# Altium PCB PCB3.PcbDoc (part 5 of 9)
Units mm, origin at the board's own origin, x right, y up, seen from the top; angles counter-clockwise.
Board outline 233.8 x 110.5 mm, 4 copper layers (Top Layer, Layer 1, Layer 2, Bottom Layer), stack 0.603 mm thick; 1414 components, 1732 nets, 4924 pads, 691 vias.
Unrouted connection lines stored in the file: 2464.
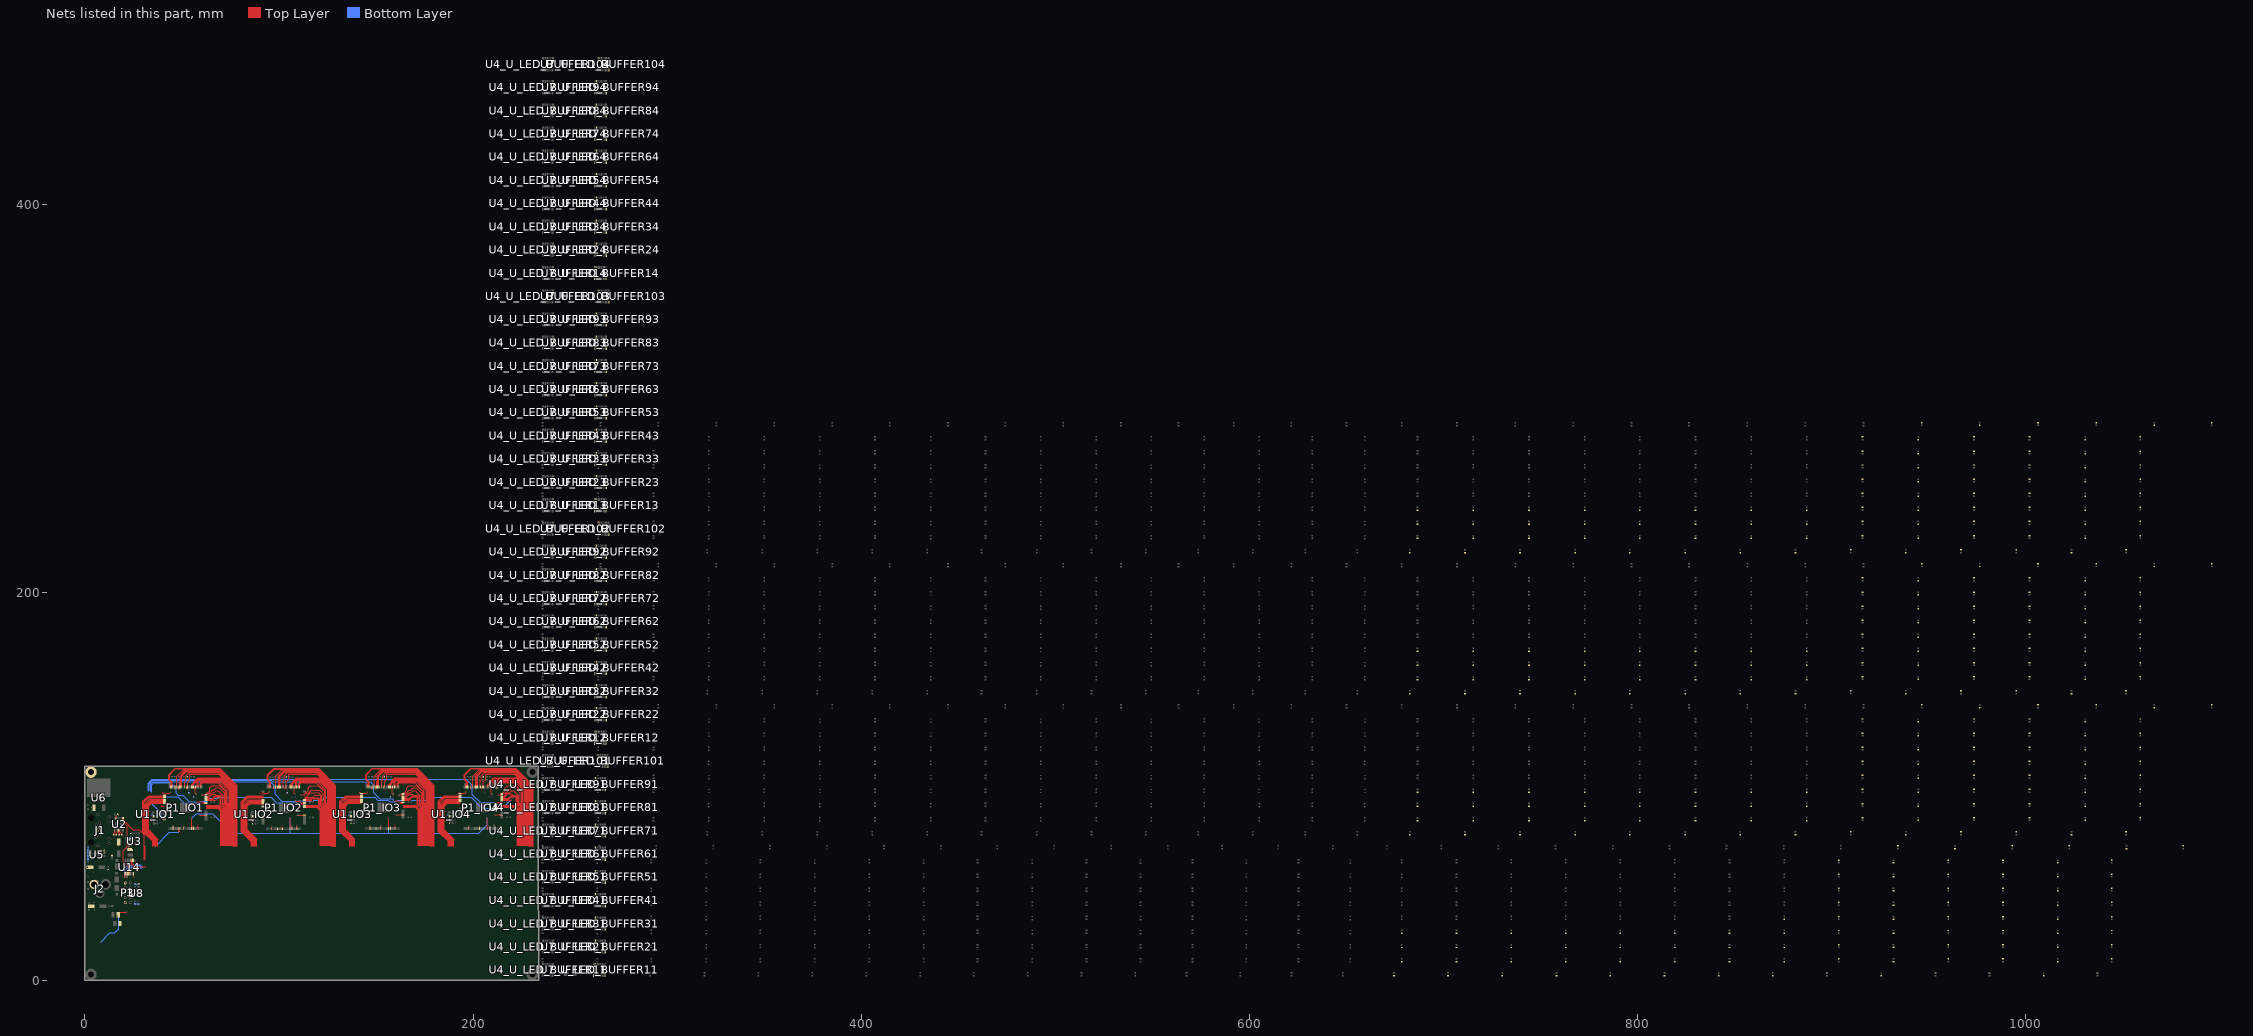
[diagram p7: the nets of this part, all layers, seen from the top]

## Part data (continued)
U4_U_LED_BUFFER11 U4_U_LED_BUFFER12 U4_U_LED_BUFFER13 U4_U_LED_BUFFER14 U4_U_LED_BUFFER21 U4_U_LED_BUFFER22 U4_U_LED_BUFFER23 U4_U_LED_BUFFER24 U4_U_LED_BUFFER31 U4_U_LED_BUFFER32 U4_U_LED_BUFFER33 U4_U_LED_BUFFER34 U4_U_LED_BUFFER41 U4_U_LED_BUFFER42 U4_U_LED_BUFFER43 U4_U_LED_BUFFER44 U4_U_LED_BUFFER51 U4_U_LED_BUFFER52 U4_U_LED_BUFFER53 U4_U_LED_BUFFER54 U4_U_LED_BUFFER61 U4_U_LED_BUFFER62 U4_U_LED_BUFFER63 U4_U_LED_BUFFER64 U4_U_LED_BUFFER71 U4_U_LED_BUFFER72 U4_U_LED_BUFFER73 U4_U_LED_BUFFER74 U4_U_LED_BUFFER81 U4_U_LED_BUFFER82 U4_U_LED_BUFFER83 U4_U_LED_BUFFER84 U4_U_LED_BUFFER91 U4_U_LED_BUFFER92 U4_U_LED_BUFFER93 U4_U_LED_BUFFER94 U4_U_LED_BUFFER101 U4_U_LED_BUFFER102 U4_U_LED_BUFFER103 U4_U_LED_BUFFER104: library part TXS0108EPWR, "Translation - Voltage Levels Dual supply translating transceiver; open drain; auto direction sensing", Mfr="NXP Semiconductors", Mfr Part No=NTS0308EPWJ, PRICE=1.43, Stockiest=MOUSER, Stockiest Part No=771-NTS0308EPWJ
U5: "Power Switch ICs - Power Distribution", Mfr="Texas Instruments", Mfr Part No=TPS2121RUXT, PRICE=2.40, Stockiest=MOUSER, Stockiest Part No=595-TPS2121RUXT
U6: "Integrated Circuit", Mfr=STMicroelectronics, Mfr Part No=LD1085D2T33R, PRICE=1.30, Stockiest=MOUSER, Stockiest Part No=511-LD1085D2T33-TR
U7_U_LED_BUFFER11 U7_U_LED_BUFFER12 U7_U_LED_BUFFER13 U7_U_LED_BUFFER14 U7_U_LED_BUFFER21 U7_U_LED_BUFFER22 U7_U_LED_BUFFER23 U7_U_LED_BUFFER24 U7_U_LED_BUFFER31 U7_U_LED_BUFFER32 U7_U_LED_BUFFER33 U7_U_LED_BUFFER34 U7_U_LED_BUFFER41 U7_U_LED_BUFFER42 U7_U_LED_BUFFER43 U7_U_LED_BUFFER44 U7_U_LED_BUFFER51 U7_U_LED_BUFFER52 U7_U_LED_BUFFER53 U7_U_LED_BUFFER54 U7_U_LED_BUFFER61 U7_U_LED_BUFFER62 U7_U_LED_BUFFER63 U7_U_LED_BUFFER64 U7_U_LED_BUFFER71 U7_U_LED_BUFFER72 U7_U_LED_BUFFER73 U7_U_LED_BUFFER74 U7_U_LED_BUFFER81 U7_U_LED_BUFFER82 U7_U_LED_BUFFER83 U7_U_LED_BUFFER84 U7_U_LED_BUFFER91 U7_U_LED_BUFFER92 U7_U_LED_BUFFER93 U7_U_LED_BUFFER94 U7_U_LED_BUFFER101 U7_U_LED_BUFFER102 U7_U_LED_BUFFER103 U7_U_LED_BUFFER104: "Buffers & Line Drivers BUFFER LINE DRIVER", Mfr=Nexperia, Mfr Part No=74LV244APWJ, PRICE=0.464, Stockiest=MOUSER, Stockiest Part No=771-74LV244APWJ
U8: "ESD Suppressors / TVS Diodes LOW CAP TVS ARRAY 5.5V", Mfr="ON SEMI", Mfr Part No=NUP4114HMR6T1G, PRICE=0.534, Stockiest=MOUSER, Stockiest Part No=863-NUP4114HMR6T1G
U14: "Encoders, Decoders, Multiplexers & Demultiplexers 8-INPUT MULTIPLEXER", Mfr=NEXPERIA, Mfr Part No=74HC151DB,118, PRICE=0.887, Stockiest=MOUSER, Stockiest Part No=771-HC151DB118

## Free pads (board coordinates)
  round 6 hole 3.2: ""(3.1,3.1) ""(3.1,107.4) ""(230.6,3.1) ""(230.6,107.4)

## Via types
v1: diameter 0.61, hole 0.305, Top Layer to Bottom Layer, 691 vias

## Nets (pads, with @x,y where several pads share a name; then routed paths per layer and width w, separated by ;. In a path a pad name is that pad's centre, name@x,y a point inside that pad or via, vN(x,y) a via of type N, cw(c..) or ccw(c..) an arc to the next point about the centre after c; other vN are vias at no path point)
BANK_EN0: P1_IO1.17 U14.11 | length 9.5
  Top Layer w0.178: U14.11@23.831,61.919 23.831,59.693 27.498,56.026 ; 39.036,90.316 39.583,89.769 P1_IO1.17@40.944,89.769
BANK_EN0_IO2: P1_IO2.17
BANK_EN0_IO3: P1_IO3.17
BANK_EN0_IO4: P1_IO4.17
BANK_EN1: P1_IO1.30 U14.10 | length 21.9
  Top Layer w0.178: U14.10@24.481,61.919 24.481,60.025 25.94,58.566 31.274,58.566 ; v1(39.5,82.988) 39.617,82.988 39.898,83.269 P1_IO1.30@40.944,83.269
  Bottom Layer w0.178: 34.661,92.07 34.659,92.068 34.659,91.776 34.661,91.774 34.661,90.739 39.5,85.9 v1(39.5,82.988)
BANK_EN1_IO2: P1_IO2.30
BANK_EN1_IO3: P1_IO3.30
BANK_EN1_IO4: P1_IO4.30
BANK_EN2_IO1: P1_IO1.48 | length 17.4
  Top Layer w0.178: P1_IO1.48@48.432,78.281 48.432,76.786 48.8,76.418 v1(48.8,76.346)
  Bottom Layer w0.178: 36.418,69.286 43.478,76.346 v1(48.8,76.346)
BANK_EN2_IO2: P1_IO2.48
BANK_EN2_IO3: P1_IO3.48
BANK_EN2_IO4: P1_IO4.48
C1+: C40.2 U2.1 | length 2.6
  Top Layer w0.254: C40.2@14.856,75.104 14.856,75.819 15.357,76.319 U2.1@15.357,77.543
C1-: C40.1 U2.3 | length 2.6
  Top Layer w0.254: C40.1@16.256,75.104 16.256,75.949 16.657,76.349 U2.3@16.657,77.543
C2+: C43.2 U2.4 | length 2.6
  Top Layer w0.254: U2.4@17.307,77.543 17.307,76.069 17.576,75.8 C43.2@17.576,75.058
C2-: C43.1 U2.5 | length 2.9
  Top Layer w0.254: U2.5@17.957,77.543 17.957,76.628 18.976,75.609 C43.1@18.976,75.058
CMD_INT: P1_IO1.61 P1_IO2.61 P1_IO3.61 P1_IO4.61 | length 200.3
  Top Layer w0.178: P1_IO1.61@54.932,78.281 v1(54.932,83.659) v1@55.053,83.781 ; P1_IO2.61@105.76,78.215 v1(105.76,83.593) ; P1_IO3.61@156.481,78.303 v1(156.481,83.681) v1@156.603,83.802 ; P1_IO4.61@207.357,78.307 v1(207.357,83.685)
  Bottom Layer w0.178: v1(54.932,83.659) 57.271,85.998 65.818,85.998 75.978,75.838 105.76,75.838 ; v1(105.76,83.593) 105.76,75.838 ; v1(156.481,83.681) 156.481,75.838 ; v1(207.357,83.685) 207.357,80.342 202.854,75.838 156.481,75.838 ; 105.76,75.838 156.481,75.838
CMD_RX: P1_IO1.98 P1_IO2.98 P1_IO3.98 P1_IO4.98 U2.9 | length 246.9
  Top Layer w0.178: U2.9@19.907,83.419 19.907,82.485 24.63,77.762 27.871,77.762 30.468,75.165 30.468,61.912 ; P1_IO1.98@62.42,92.769 67.509,92.769 v1(68.612,93.872) ; P1_IO2.98@113.248,92.703 117.227,92.703 v1(117.38,92.856) ; P1_IO3.98@163.969,92.791 167.861,92.791 v1(167.926,92.856) ; P1_IO4.98@214.845,92.795 219.681,92.795 v1(220.25,93.364)
  Bottom Layer w0.178: 32.798,93.872 33.56,94.634 47.784,94.634 51.069,91.349 58.723,91.349 59.742,92.368 62.855,92.368 64.359,93.872 v1(68.612,93.872) 69.059,94.319 96.052,94.319 98.694,91.677 109.021,91.677 109.891,92.548 117.06,92.548 117.368,92.856 v1(117.38,92.856) ; v1@117.38,92.806 122.307,92.806 123.908,94.407 149.362,94.407 150.824,92.945 156.206,92.945 157.035,92.116 160.345,92.116 161.123,92.894 167.926,92.894 176.933,92.894 178.45,94.41 199.009,94.41 204.581,88.838 215.433,88.838 219.878,93.283 220.169,93.283 v1(220.25,93.364)
CMD_TX: U2.10 U14.5 | length 31.9
  Top Layer w0.254: U2.10@19.257,83.419 19.235,83.398 19.235,82.273 21.901,79.607 21.901,68.955 19.693,66.746 19.693,61.258 23.16,57.791 23.16,54.965 U14.5@23.181,54.943
CMD_TX_IO1: P1_IO1.96 U14.4 | length 47.6
  Top Layer w0.178: v1(22.507,56.655) 22.519,56.642 22.519,54.956 U14.4@22.531,54.943 ; v1(57.5,92.048) 60.738,92.048 61.017,91.769 P1_IO1.96@62.42,91.769
  Bottom Layer w0.178: v1(22.507,56.655) 22.589,56.737 22.589,56.98 23.632,58.022 29.746,58.022 ; 34.459,97.024 34.459,100.81 35.649,102 43.974,102 47.022,98.952 47.022,96.412 48.038,95.396 50.324,95.396 53.672,92.048 v1(57.5,92.048)
CMD_TX_IO2: P1_IO2.96 U14.3 | length 104.4
  Top Layer w0.178: U14.3@21.881,54.943 21.894,54.931 21.894,53.244 v1(21.906,53.232) ; v1(108.358,92.431) 110.522,92.431 111.249,91.703 P1_IO2.96@113.248,91.703
  Bottom Layer w0.178: v1(21.906,53.232) 21.906,57.326 23.188,58.608 29.326,58.608 ; 33.855,97.427 33.855,101.282 35.105,102.531 95.513,102.531 98.076,99.968 98.076,95.904 101.549,92.431 v1(108.358,92.431)
CMD_TX_IO3: P1_IO3.96 U14.2 | length 153.7
  Top Layer w0.178: v1(21.207,56.655) 21.219,56.642 21.219,54.956 U14.2@21.231,54.943 ; v1(159.492,92.687) 161.576,92.687 162.473,91.791 P1_IO3.96@163.969,91.791
  Bottom Layer w0.178: v1(21.207,56.655) 21.207,57.389 22.997,59.179 29.235,59.179 ; 33.194,97.427 33.194,101.396 34.936,103.138 95.922,103.138 96.552,102.508 147.098,102.508 148.876,100.73 148.876,96.788 151.962,93.702 158.477,93.702 v1(159.492,92.687)
CMD_TX_IO4: P1_IO4.96 U14.1 | length 210.3
  Top Layer w0.178: U14.1@20.581,54.943 20.594,54.931 20.594,53.244 v1(20.606,53.232) ; v1(211.416,91.795) P1_IO4.96@214.845,91.795
  Bottom Layer w0.178: v1(20.606,53.232) 20.606,58.058 22.252,59.704 28.77,59.704 ; 32.533,97.758 32.533,101.561 34.734,103.762 196.644,103.762 199.676,100.73 199.676,95.77 203.652,91.795 v1(211.416,91.795)
GND: C1_IO1.1 C1_IO2.1 C1_IO3.1 C1_IO4.1 C19.1 C20.1 C21.1 C22.1 C26.1 C27.1 C28_U_LED_BUFFER11.2 C28_U_LED_BUFFER12.2 C28_U_LED_BUFFER13.2 C28_U_LED_BUFFER14.2 C28_U_LED_BUFFER21.2 C28_U_LED_BUFFER22.2 C28_U_LED_BUFFER23.2 C28_U_LED_BUFFER24.2 C28_U_LED_BUFFER31.2 C28_U_LED_BUFFER32.2 C28_U_LED_BUFFER33.2 C28_U_LED_BUFFER34.2 C28_U_LED_BUFFER41.2 C28_U_LED_BUFFER42.2 C28_U_LED_BUFFER43.2 C28_U_LED_BUFFER44.2 C28_U_LED_BUFFER51.2 C28_U_LED_BUFFER52.2 C28_U_LED_BUFFER53.2 C28_U_LED_BUFFER54.2 C28_U_LED_BUFFER61.2 C28_U_LED_BUFFER62.2 C28_U_LED_BUFFER63.2 C28_U_LED_BUFFER64.2 C28_U_LED_BUFFER71.2 C28_U_LED_BUFFER72.2 C28_U_LED_BUFFER73.2 C28_U_LED_BUFFER74.2 C28_U_LED_BUFFER81.2 C28_U_LED_BUFFER82.2 C28_U_LED_BUFFER83.2 C28_U_LED_BUFFER84.2 C28_U_LED_BUFFER91.2 C28_U_LED_BUFFER92.2 C28_U_LED_BUFFER93.2 C28_U_LED_BUFFER94.2 C28_U_LED_BUFFER101.2 C28_U_LED_BUFFER102.2 C28_U_LED_BUFFER103.2 C28_U_LED_BUFFER104.2 C29.1 C30.1 C31_U_LED_BUFFER11.1 C31_U_LED_BUFFER12.1 C31_U_LED_BUFFER13.1 C31_U_LED_BUFFER14.1 C31_U_LED_BUFFER21.1 C31_U_LED_BUFFER22.1 C31_U_LED_BUFFER23.1 C31_U_LED_BUFFER24.1 C31_U_LED_BUFFER31.1 C31_U_LED_BUFFER32.1 C31_U_LED_BUFFER33.1 C31_U_LED_BUFFER34.1 C31_U_LED_BUFFER41.1 C31_U_LED_BUFFER42.1 C31_U_LED_BUFFER43.1 C31_U_LED_BUFFER44.1 C31_U_LED_BUFFER51.1 C31_U_LED_BUFFER52.1 C31_U_LED_BUFFER53.1 C31_U_LED_BUFFER54.1 C31_U_LED_BUFFER61.1 C31_U_LED_BUFFER62.1 C31_U_LED_BUFFER63.1 C31_U_LED_BUFFER64.1 C31_U_LED_BUFFER71.1 C31_U_LED_BUFFER72.1 C31_U_LED_BUFFER73.1 C31_U_LED_BUFFER74.1 C31_U_LED_BUFFER81.1 C31_U_LED_BUFFER82.1 C31_U_LED_BUFFER83.1 C31_U_LED_BUFFER84.1 C31_U_LED_BUFFER91.1 C31_U_LED_BUFFER92.1 C31_U_LED_BUFFER93.1 C31_U_LED_BUFFER94.1 C31_U_LED_BUFFER101.1 C31_U_LED_BUFFER102.1 C31_U_LED_BUFFER103.1 C31_U_LED_BUFFER104.1 C32_U_LED_BUFFER11.2 C32_U_LED_BUFFER12.2 C32_U_LED_BUFFER13.2 C32_U_LED_BUFFER14.2 C32_U_LED_BUFFER21.2 C32_U_LED_BUFFER22.2 C32_U_LED_BUFFER23.2 C32_U_LED_BUFFER24.2 C32_U_LED_BUFFER31.2 C32_U_LED_BUFFER32.2 C32_U_LED_BUFFER33.2 C32_U_LED_BUFFER34.2 C32_U_LED_BUFFER41.2 C32_U_LED_BUFFER42.2 C32_U_LED_BUFFER43.2 C32_U_LED_BUFFER44.2 C32_U_LED_BUFFER51.2 C32_U_LED_BUFFER52.2 C32_U_LED_BUFFER53.2 C32_U_LED_BUFFER54.2 C32_U_LED_BUFFER61.2 C32_U_LED_BUFFER62.2 C32_U_LED_BUFFER63.2 C32_U_LED_BUFFER64.2 C32_U_LED_BUFFER71.2 C32_U_LED_BUFFER72.2 C32_U_LED_BUFFER73.2 C32_U_LED_BUFFER74.2 C32_U_LED_BUFFER81.2 C32_U_LED_BUFFER82.2 C32_U_LED_BUFFER83.2 C32_U_LED_BUFFER84.2 C32_U_LED_BUFFER91.2 C32_U_LED_BUFFER92.2 C32_U_LED_BUFFER93.2 C32_U_LED_BUFFER94.2 C32_U_LED_BUFFER101.2 C32_U_LED_BUFFER102.2 C32_U_LED_BUFFER103.2 C32_U_LED_BUFFER104.2 C33_U_LED_BUFFER11.1 C33_U_LED_BUFFER12.1 C33_U_LED_BUFFER13.1 C33_U_LED_BUFFER14.1 C33_U_LED_BUFFER21.1 C33_U_LED_BUFFER22.1 C33_U_LED_BUFFER23.1 C33_U_LED_BUFFER24.1 C33_U_LED_BUFFER31.1 C33_U_LED_BUFFER32.1 C33_U_LED_BUFFER33.1 C33_U_LED_BUFFER34.1 C33_U_LED_BUFFER41.1 C33_U_LED_BUFFER42.1 C33_U_LED_BUFFER43.1 C33_U_LED_BUFFER44.1 C33_U_LED_BUFFER51.1 C33_U_LED_BUFFER52.1 C33_U_LED_BUFFER53.1 C33_U_LED_BUFFER54.1 C33_U_LED_BUFFER61.1 C33_U_LED_BUFFER62.1 C33_U_LED_BUFFER63.1 C33_U_LED_BUFFER64.1 C33_U_LED_BUFFER71.1 C33_U_LED_BUFFER72.1 C33_U_LED_BUFFER73.1 C33_U_LED_BUFFER74.1 C33_U_LED_BUFFER81.1 C33_U_LED_BUFFER82.1 C33_U_LED_BUFFER83.1 C33_U_LED_BUFFER84.1 C33_U_LED_BUFFER91.1 C33_U_LED_BUFFER92.1 C33_U_LED_BUFFER93.1 C33_U_LED_BUFFER94.1 C33_U_LED_BUFFER101.1 C33_U_LED_BUFFER102.1 C33_U_LED_BUFFER103.1 C33_U_LED_BUFFER104.1 C34_U_LED_BUFFER11.2 C34_U_LED_BUFFER12.2 C34_U_LED_BUFFER13.2 C34_U_LED_BUFFER14.2 C34_U_LED_BUFFER21.2 C34_U_LED_BUFFER22.2 C34_U_LED_BUFFER23.2 C34_U_LED_BUFFER24.2 C34_U_LED_BUFFER31.2 C34_U_LED_BUFFER32.2 C34_U_LED_BUFFER33.2 C34_U_LED_BUFFER34.2 C34_U_LED_BUFFER41.2 C34_U_LED_BUFFER42.2 C34_U_LED_BUFFER43.2 C34_U_LED_BUFFER44.2 C34_U_LED_BUFFER51.2 C34_U_LED_BUFFER52.2 C34_U_LED_BUFFER53.2 C34_U_LED_BUFFER54.2 C34_U_LED_BUFFER61.2 C34_U_LED_BUFFER62.2 C34_U_LED_BUFFER63.2 C34_U_LED_BUFFER64.2 C34_U_LED_BUFFER71.2 C34_U_LED_BUFFER72.2 C34_U_LED_BUFFER73.2 C34_U_LED_BUFFER74.2 C34_U_LED_BUFFER81.2 C34_U_LED_BUFFER82.2 C34_U_LED_BUFFER83.2 C34_U_LED_BUFFER84.2 C34_U_LED_BUFFER91.2 C34_U_LED_BUFFER92.2 C34_U_LED_BUFFER93.2 C34_U_LED_BUFFER94.2 C34_U_LED_BUFFER101.2 C34_U_LED_BUFFER102.2 C34_U_LED_BUFFER103.2 C34_U_LED_BUFFER104.2 C35_U_LED_BUFFER11.2 C35_U_LED_BUFFER12.2 C35_U_LED_BUFFER13.2 C35_U_LED_BUFFER14.2 C35_U_LED_BUFFER21.2 C35_U_LED_BUFFER22.2 C35_U_LED_BUFFER23.2 C35_U_LED_BUFFER24.2 C35_U_LED_BUFFER31.2 C35_U_LED_BUFFER32.2 C35_U_LED_BUFFER33.2 C35_U_LED_BUFFER34.2 C35_U_LED_BUFFER41.2 C35_U_LED_BUFFER42.2 C35_U_LED_BUFFER43.2 C35_U_LED_BUFFER44.2 C35_U_LED_BUFFER51.2 C35_U_LED_BUFFER52.2 C35_U_LED_BUFFER53.2 C35_U_LED_BUFFER54.2 C35_U_LED_BUFFER61.2 C35_U_LED_BUFFER62.2 C35_U_LED_BUFFER63.2 C35_U_LED_BUFFER64.2 C35_U_LED_BUFFER71.2 C35_U_LED_BUFFER72.2 C35_U_LED_BUFFER73.2 C35_U_LED_BUFFER74.2 C35_U_LED_BUFFER81.2 C35_U_LED_BUFFER82.2 C35_U_LED_BUFFER83.2 C35_U_LED_BUFFER84.2 C35_U_LED_BUFFER91.2 C35_U_LED_BUFFER92.2 C35_U_LED_BUFFER93.2 C35_U_LED_BUFFER94.2 C35_U_LED_BUFFER101.2 C35_U_LED_BUFFER102.2 C35_U_LED_BUFFER103.2 C35_U_LED_BUFFER104.2 C36.1 C37.1 C38.1 C39.1 C41.1 C42.1 C44.1 C73.2 C74.1 C75.1 C76.2 C77.1 C78.1 C79.2 D1_IO1.2 D1_IO2.2 D1_IO3.2 D1_IO4.2 D2_IO1.2 D2_IO2.2 D2_IO3.2 D2_IO4.2 J1.4 J1.5 J1.6 J2.2 P1_IO1.3 P1_IO1.4 P1_IO1.42 P1_IO1.53 P1_IO1.63 P1_IO1.68 P1_IO1.83 P1_IO1.95 P1_IO1.104 P1_IO1.116 P1_IO1.125 P1_IO1.133 P1_IO1.137 P1_IO1.142 P1_IO2.3 P1_IO2.4 P1_IO2.42 P1_IO2.53 P1_IO2.63 P1_IO2.68 P1_IO2.83 P1_IO2.95 P1_IO2.104 P1_IO2.116 P1_IO2.125 P1_IO2.133 P1_IO2.137 P1_IO2.142 P1_IO3.3 P1_IO3.4 P1_IO3.42 P1_IO3.53 P1_IO3.63 P1_IO3.68 P1_IO3.83 P1_IO3.95 P1_IO3.104 P1_IO3.116 P1_IO3.125 P1_IO3.133 P1_IO3.137 P1_IO3.142 P1_IO4.3 P1_IO4.4 P1_IO4.42 P1_IO4.53 P1_IO4.63 P1_IO4.68 P1_IO4.83 P1_IO4.95 P1_IO4.104 P1_IO4.116 P1_IO4.125 P1_IO4.133 P1_IO4.137 P1_IO4.142 P3.2 P3.10 pad.@3.1,107.4 R12.1 R13_IO1.1 R13_IO2.1 R13_IO3.1 R13_IO4.1 R23.2 R24.2 R25.2 R29.2 R32.2 R38.1 R39.2 R40.2 R43.1 R44.2 U1_IO1.2 U1_IO2.2 U1_IO3.2 U1_IO4.2 U2.15 U3.4 U4_U_LED_BUFFER11.11 U4_U_LED_BUFFER12.11 U4_U_LED_BUFFER13.11 U4_U_LED_BUFFER14.11 U4_U_LED_BUFFER21.11 U4_U_LED_BUFFER22.11 U4_U_LED_BUFFER23.11 U4_U_LED_BUFFER24.11 U4_U_LED_BUFFER31.11 U4_U_LED_BUFFER32.11 U4_U_LED_BUFFER33.11 U4_U_LED_BUFFER34.11 U4_U_LED_BUFFER41.11 U4_U_LED_BUFFER42.11 U4_U_LED_BUFFER43.11 U4_U_LED_BUFFER44.11 U4_U_LED_BUFFER51.11 U4_U_LED_BUFFER52.11 U4_U_LED_BUFFER53.11 U4_U_LED_BUFFER54.11 U4_U_LED_BUFFER61.11 U4_U_LED_BUFFER62.11 U4_U_LED_BUFFER63.11 U4_U_LED_BUFFER64.11 U4_U_LED_BUFFER71.11 U4_U_LED_BUFFER72.11 U4_U_LED_BUFFER73.11 U4_U_LED_BUFFER74.11 U4_U_LED_BUFFER81.11 U4_U_LED_BUFFER82.11 U4_U_LED_BUFFER83.11 U4_U_LED_BUFFER84.11 U4_U_LED_BUFFER91.11 U4_U_LED_BUFFER92.11 U4_U_LED_BUFFER93.11 U4_U_LED_BUFFER94.11 U4_U_LED_BUFFER101.11 U4_U_LED_BUFFER102.11 U4_U_LED_BUFFER103.11 U4_U_LED_BUFFER104.11 U5.12 U6.1 U7_U_LED_BUFFER11.1 U7_U_LED_BUFFER11.10 U7_U_LED_BUFFER11.19 U7_U_LED_BUFFER12.1 U7_U_LED_BUFFER12.10 U7_U_LED_BUFFER12.19 U7_U_LED_BUFFER13.1 U7_U_LED_BUFFER13.10 U7_U_LED_BUFFER13.19 U7_U_LED_BUFFER14.1 U7_U_LED_BUFFER14.10 U7_U_LED_BUFFER14.19 U7_U_LED_BUFFER21.1 U7_U_LED_BUFFER21.10 U7_U_LED_BUFFER21.19 U7_U_LED_BUFFER22.1 U7_U_LED_BUFFER22.10 U7_U_LED_BUFFER22.19 U7_U_LED_BUFFER23.1 U7_U_LED_BUFFER23.10 U7_U_LED_BUFFER23.19 U7_U_LED_BUFFER24.1 U7_U_LED_BUFFER24.10 U7_U_LED_BUFFER24.19 U7_U_LED_BUFFER31.1 U7_U_LED_BUFFER31.10 U7_U_LED_BUFFER31.19 U7_U_LED_BUFFER32.1 U7_U_LED_BUFFER32.10 U7_U_LED_BUFFER32.19 U7_U_LED_BUFFER33.1 U7_U_LED_BUFFER33.10 U7_U_LED_BUFFER33.19 U7_U_LED_BUFFER34.1 U7_U_LED_BUFFER34.10 U7_U_LED_BUFFER34.19 U7_U_LED_BUFFER41.1 U7_U_LED_BUFFER41.10 U7_U_LED_BUFFER41.19 U7_U_LED_BUFFER42.1 U7_U_LED_BUFFER42.10 U7_U_LED_BUFFER42.19 U7_U_LED_BUFFER43.1 U7_U_LED_BUFFER43.10 U7_U_LED_BUFFER43.19 U7_U_LED_BUFFER44.1 U7_U_LED_BUFFER44.10 U7_U_LED_BUFFER44.19 U7_U_LED_BUFFER51.1 U7_U_LED_BUFFER51.10 U7_U_LED_BUFFER51.19 U7_U_LED_BUFFER52.1 U7_U_LED_BUFFER52.10 U7_U_LED_BUFFER52.19 U7_U_LED_BUFFER53.1 U7_U_LED_BUFFER53.10 U7_U_LED_BUFFER53.19 U7_U_LED_BUFFER54.1 U7_U_LED_BUFFER54.10 U7_U_LED_BUFFER54.19 U7_U_LED_BUFFER61.1 U7_U_LED_BUFFER61.10 U7_U_LED_BUFFER61.19 U7_U_LED_BUFFER62.1 U7_U_LED_BUFFER62.10 U7_U_LED_BUFFER62.19 U7_U_LED_BUFFER63.1 U7_U_LED_BUFFER63.10 U7_U_LED_BUFFER63.19 U7_U_LED_BUFFER64.1 U7_U_LED_BUFFER64.10 U7_U_LED_BUFFER64.19 U7_U_LED_BUFFER71.1 U7_U_LED_BUFFER71.10 U7_U_LED_BUFFER71.19 U7_U_LED_BUFFER72.1 U7_U_LED_BUFFER72.10 U7_U_LED_BUFFER72.19 U7_U_LED_BUFFER73.1 U7_U_LED_BUFFER73.10 U7_U_LED_BUFFER73.19 U7_U_LED_BUFFER74.1 U7_U_LED_BUFFER74.10 U7_U_LED_BUFFER74.19 U7_U_LED_BUFFER81.1 U7_U_LED_BUFFER81.10 U7_U_LED_BUFFER81.19 U7_U_LED_BUFFER82.1 U7_U_LED_BUFFER82.10 U7_U_LED_BUFFER82.19 U7_U_LED_BUFFER83.1 U7_U_LED_BUFFER83.10 U7_U_LED_BUFFER83.19 U7_U_LED_BUFFER84.1 U7_U_LED_BUFFER84.10 U7_U_LED_BUFFER84.19 U7_U_LED_BUFFER91.1 U7_U_LED_BUFFER91.10 U7_U_LED_BUFFER91.19 U7_U_LED_BUFFER92.1 U7_U_LED_BUFFER92.10 U7_U_LED_BUFFER92.19 U7_U_LED_BUFFER93.1 U7_U_LED_BUFFER93.10 U7_U_LED_BUFFER93.19 U7_U_LED_BUFFER94.1 U7_U_LED_BUFFER94.10 U7_U_LED_BUFFER94.19 U7_U_LED_BUFFER101.1 U7_U_LED_BUFFER101.10 U7_U_LED_BUFFER101.19 U7_U_LED_BUFFER102.1 U7_U_LED_BUFFER102.10 U7_U_LED_BUFFER102.19 U7_U_LED_BUFFER103.1 U7_U_LED_BUFFER103.10 U7_U_LED_BUFFER103.19 U7_U_LED_BUFFER104.1 U7_U_LED_BUFFER104.10 U7_U_LED_BUFFER104.19 U8.2 U14.8 U14.9 | length 164.9
  Top Layer w0.254: U5.12@7.129,65.646 v1(7.129,66.464) ; v1(39.534,96.887) 39.652,96.769 P1_IO1.3@40.944,96.769 ; P1_IO1.4@40.944,96.269 41.906,96.269 42.214,96.578 43.619,96.578 v1(44.081,97.039) ; v1(43.446,101.307) 43.547,101.307 43.932,100.922 P1_IO1.142@43.932,99.757 P1_IO1.142@43.909,99.734 ; P1_IO1.42@45.432,78.281 v1(45.432,79.524) ; v1(46.432,98.514) P1_IO1.137@46.432,99.757 ; v1(48.432,98.514) P1_IO1.133@48.432,99.757 ; P1_IO1.53@50.932,78.281 v1(50.932,79.524) ; v1(52.432,98.514) P1_IO1.125@52.432,99.757 ; P1_IO1.63@55.932,78.281 v1(55.932,79.524) ; P1_IO1.116@56.932,99.757 56.932,96.405 v1(57.314,96.023) ; P1_IO1.68@58.432,78.281 58.432,79.971 v1(58.457,79.996) ; v1(59.016,85.254) 58.932,85.254 58.94,85.261 62.412,85.261 P1_IO1.83@62.42,85.269 ; v1(60.323,95.728) 60.364,95.769 P1_IO1.104@62.42,95.769 ; v1(60.362,91.197) 60.458,91.197 60.53,91.269 P1_IO1.95@62.42,91.269 ; v1(90.362,96.821) 90.48,96.703 P1_IO2.3@91.772,96.703 ; P1_IO2.4@91.772,96.203 92.734,96.203 93.042,96.512 94.447,96.512 v1(94.909,96.973) ; v1(94.274,101.241) 94.375,101.241 94.76,100.856 P1_IO2.142@94.76,99.691 P1_IO2.142@94.737,99.668 ; P1_IO2.42@96.26,78.215 v1(96.26,79.458) ; v1(97.26,98.448) P1_IO2.137@97.26,99.691 ; v1(99.26,98.448) P1_IO2.133@99.26,99.691 ; P1_IO2.53@101.76,78.215 v1(101.76,79.458) ; v1(103.26,98.448) P1_IO2.125@103.26,99.691 ; P1_IO2.63@106.76,78.215 v1(106.76,79.458) ; P1_IO2.116@107.76,99.691 107.76,96.339 v1(108.142,95.957) ; P1_IO2.68@109.26,78.215 109.26,79.905 v1(109.285,79.93) ; v1(109.844,85.188) 109.76,85.188 109.768,85.195 113.24,85.195 P1_IO2.83@113.248,85.203 ; v1(111.151,95.662) 111.192,95.703 P1_IO2.104@113.248,95.703 ; v1(111.19,91.131) 111.286,91.131 111.358,91.203 P1_IO2.95@113.248,91.203 ; v1(141.083,96.909) 141.201,96.791 P1_IO3.3@142.493,96.791 ; P1_IO3.4@142.493,96.291 143.455,96.291 143.764,96.6 145.169,96.6 v1(145.63,97.061) ; v1(144.995,101.328) 145.096,101.328 145.481,100.943 P1_IO3.142@145.481,99.779 P1_IO3.142@145.458,99.756 ; P1_IO3.42@146.981,78.303 v1(146.981,79.546) ; v1(147.981,98.536) P1_IO3.137@147.981,99.779 ; v1(149.981,98.536) P1_IO3.133@149.981,99.779 ; P1_IO3.53@152.481,78.303 v1(152.481,79.546) ; v1(153.981,98.536) P1_IO3.125@153.981,99.779 ; P1_IO3.63@157.481,78.303 v1(157.481,79.546) ; P1_IO3.116@158.481,99.779 158.481,96.427 v1(158.863,96.045) ; P1_IO3.68@159.981,78.303 159.981,79.993 v1(160.006,80.018) ; v1(160.565,85.275) 160.482,85.275 160.489,85.283 163.962,85.283 P1_IO3.83@163.969,85.291 ; v1(161.872,95.75) 161.913,95.791 P1_IO3.104@163.969,95.791 ; v1(161.911,91.219) 162.008,91.219 162.079,91.291 P1_IO3.95@163.969,91.291 ; v1(191.959,96.912) 192.077,96.795 P1_IO4.3@193.369,96.795 ; P1_IO4.4@193.369,96.295 194.331,96.295 194.64,96.603 196.045,96.603 v1(196.506,97.065) ; v1(195.871,101.332) 195.973,101.332 196.357,100.947 P1_IO4.142@196.357,99.783 P1_IO4.142@196.334,99.76 ; P1_IO4.42@197.857,78.307 v1(197.857,79.55) ; v1(198.857,98.539) P1_IO4.137@198.857,99.783 ; v1(200.857,98.539) P1_IO4.133@200.857,99.783 ; P1_IO4.53@203.357,78.307 v1(203.357,79.55) ; v1(204.857,98.539) P1_IO4.125@204.857,99.783 ; P1_IO4.63@208.357,78.307 v1(208.357,79.55) ; P1_IO4.116@209.357,99.783 209.357,96.431 v1(209.739,96.049) ; P1_IO4.68@210.857,78.307 210.857,79.996 v1(210.882,80.021) ; v1(211.441,85.279) 211.358,85.279 211.366,85.287 214.838,85.287 P1_IO4.83@214.845,85.295 ; v1(212.748,95.754) 212.789,95.795 P1_IO4.104@214.845,95.795 ; v1(212.787,91.223) 212.884,91.223 212.956,91.295 P1_IO4.95@214.845,91.295
  Top Layer w0.305: U3.4@26.171,70.788 26.171,70.737 26.738,70.17 v1(27.17,70.17)
  Top Layer w0.381: U2.15@16.007,83.419 16.007,84.264 16.792,85.05 C42.1@16.792,85.487 ; v1(17.304,35.452) 17.494,35.262 19.938,35.262 19.951,35.274 21.36,35.274 v1(21.368,35.267) ; U14.8@25.131,54.943 25.13,54.942 25.13,53.422 v1(25.165,53.387) ; U14.9@25.131,61.919 25.131,61.649 25.166,61.614 v1(25.94,61.614)
  Top Layer w0.508: U8.2@26.524,46.153 26.541,46.17 26.541,47.167 26.582,47.208 v1(26.582,47.236)
  Top Layer w0.635: C21.1@22.859,69.427 22.859,67.923 C26.1@23.357,67.426
  Bottom Layer w0.254: v1(43.446,101.307) 43.797,100.956 43.797,99.941 ; v1(94.274,101.241) 94.625,100.89 94.625,99.875 ; v1(144.995,101.328) 145.346,100.977 145.346,99.963 ; v1(195.871,101.332) 196.222,100.981 196.222,99.966
  Bottom Layer w0.381: v1(1.545,69.104) 1.545,69.055 1.825,68.774 R44.2@1.825,66.554 ; v1@1.732,60.915 1.824,61.007 R39.2@1.824,62.746 R38.1@1.824,64.157 R43.1@1.824,65.567 R44.2@1.824,66.978 ; v1(8.046,19.79) 12.785,24.53 15.29,24.53 17.304,26.544 17.304,34.69 v1(17.304,35.452)